# KiCad board FD_new_testblock2.kicad_pcb (continued)
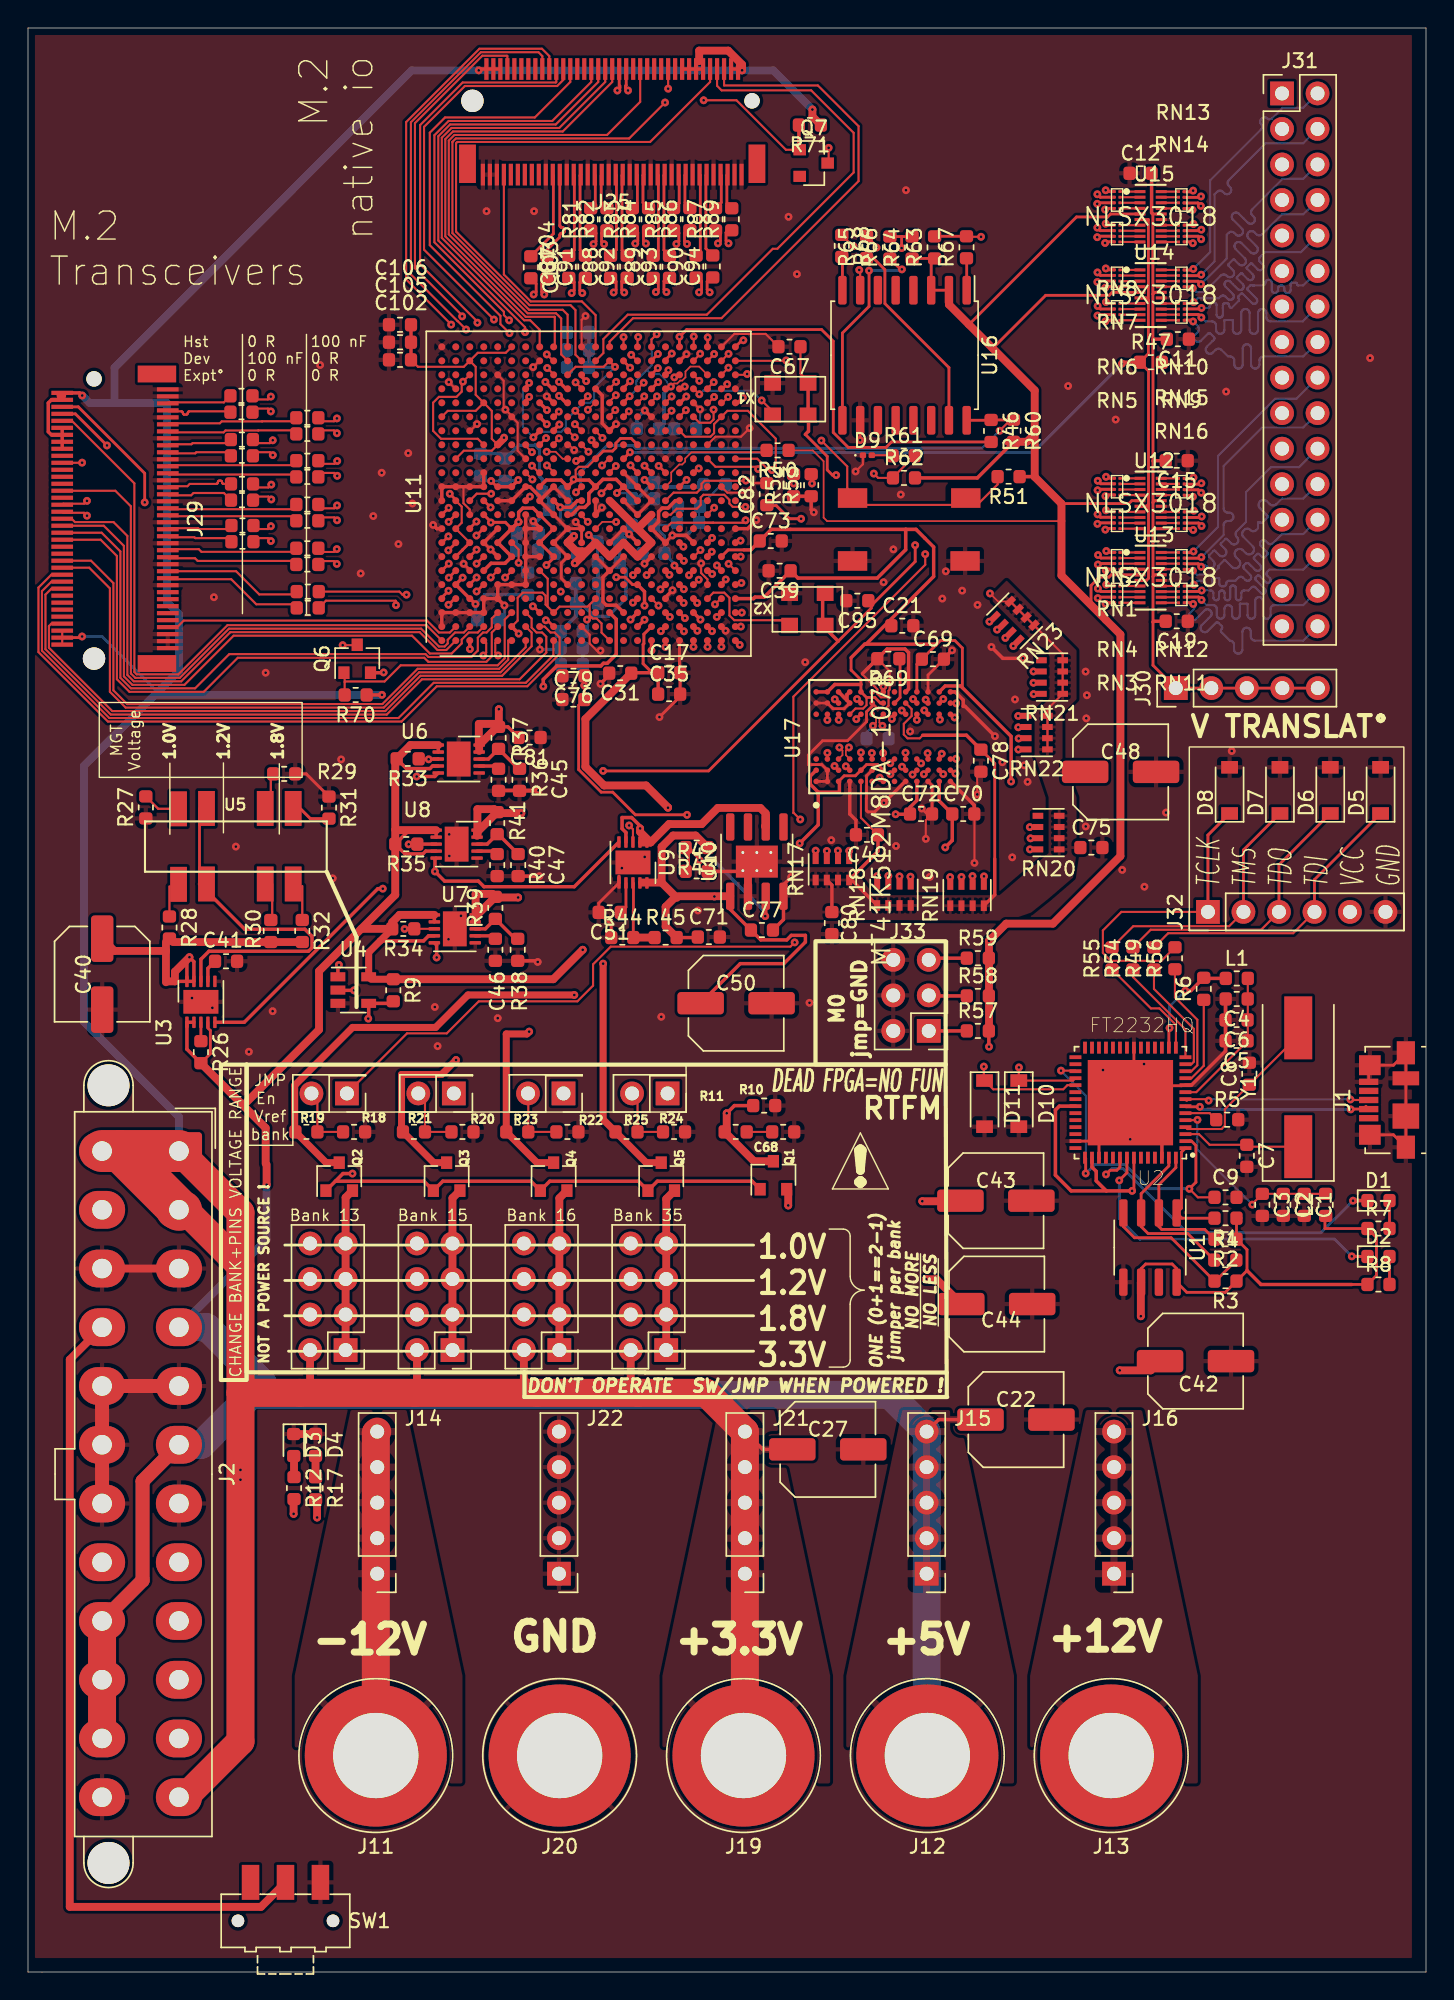
[diagram p0: board, top side]
## Routing (per net, layer and track width the routed paths; a pad name or vN(x,y) marks a point on that pad's centre or on a via; arc(x,y) is an arc through that point) (continued)
DDR_A15: length 39.3
  Top w0.15: 62.77,89.93 v1(62.5,90.2) ; v1(50.91,94.89) U11.AB1
  In2.Cu_SigDDR w0.15: v1(70.86,88.2) 70.56,87.9 63.2,87.9 62.5,88.6 v1(62.5,90.2)
  In4.Cu_SigDDR w0.15: v1(62.5,90.2) 61.52,90.2 61.48,90.2 61.45,90.18 61.41,90.16 61.39,90.14 61.37,90.1 61.35,90.07 61.35,89.99 61.33,89.95 61.31,89.92 61.29,89.89 61.25,89.87 61.22,89.86 61.18,89.86 60.92,89.86 60.88,89.86 60.85,89.87 60.81,89.89 60.79,89.92 60.77,89.95 60.75,89.99 60.75,90.03 60.75,90.27 60.75,90.29 60.74,90.3 60.73,90.32 60.72,90.33 60.71,90.34 60.69,90.34 60.68,90.34 60.22,90.34 60.21,90.34 60.19,90.34 60.18,90.33 60.17,90.32 60.16,90.3 60.15,90.29 60.15,90.27 60.15,90.08 60.15,90.05 60.14,90.03 60.12,90 60.1,89.98 60.08,89.97 60.06,89.96 60.03,89.96 59.67,89.96 59.64,89.96 59.62,89.97 59.6,89.98 59.58,90 59.56,90.03 59.55,90.05 59.55,90.08 59.55,90.25 59.55,90.26 59.55,90.27 59.54,90.28 59.53,90.29 59.52,90.3 59.51,90.3 59.5,90.3 59,90.3 58.99,90.3 58.98,90.3 58.97,90.29 58.96,90.28 58.95,90.27 58.95,90.26 58.95,90.25 58.95,90.03 58.95,89.99 58.93,89.95 58.91,89.92 58.89,89.89 58.85,89.87 58.82,89.86 58.78,89.86 58.52,89.86 58.48,89.86 58.45,89.87 58.41,89.89 58.39,89.92 58.37,89.95 58.35,89.99 58.35,90.03 58.35,90.25 58.35,90.26 58.35,90.27 58.34,90.28 58.33,90.29 58.32,90.3 58.31,90.3 58.3,90.3 57.8,90.3 57.79,90.3 57.78,90.3 57.77,90.29 57.76,90.28 57.75,90.27 57.75,90.26 57.75,90.25 57.75,90.1 57.75,90.08 57.74,90.06 57.73,90.04 57.71,90.03 57.7,90.02 57.67,90.01 57.65,90.01 57.25,90.01 57.23,90.01 57.2,90.02 57.19,90.03 57.17,90.04 57.16,90.06 57.15,90.08 57.15,90.1 57.15,90.25 57.15,90.26 57.15,90.27 57.14,90.28 57.13,90.29 57.12,90.3 57.11,90.3 57.1,90.3 56.6,90.3 56.59,90.3 56.58,90.3 56.57,90.29 56.56,90.28 56.55,90.27 56.55,90.26 56.55,90.25 56.55,89.61 56.54,89.54 56.52,89.48 56.48,89.42 56.44,89.37 56.38,89.34 56.32,89.31 56.25,89.31 56.18,89.31 56.12,89.34 56.06,89.37 56.02,89.42 55.98,89.48 55.96,89.54 55.95,89.61 55.95,90.25 55.95,90.26 55.95,90.27 55.94,90.28 55.93,90.29 55.92,90.3 55.91,90.3 55.9,90.3 55.4,90.3 55.39,90.3 55.38,90.3 55.37,90.29 55.36,90.28 55.35,90.27 55.35,90.26 55.35,90.25 55.35,89.61 55.34,89.54 55.32,89.48 55.28,89.42 55.24,89.37 55.18,89.34 55.12,89.31 55.05,89.31 54.98,89.31 54.92,89.34 54.86,89.37 54.82,89.42 54.78,89.48 54.76,89.54 54.75,89.61 54.75,90.25 54.75,90.26 54.75,90.27 54.74,90.28 54.73,90.29 54.72,90.3 54.71,90.3 54.7,90.3 54.2,90.3 54.19,90.3 54.18,90.3 54.17,90.29 54.16,90.28 54.15,90.27 54.15,90.26 54.15,90.25 54.15,89.61 54.14,89.54 54.12,89.48 54.08,89.42 54.04,89.37 53.98,89.34 53.92,89.31 53.85,89.31 53.78,89.31 53.72,89.34 53.66,89.37 53.62,89.42 53.58,89.48 53.56,89.54 53.55,89.61 53.55,89.9 53.54,89.97 53.52,90.03 53.48,90.09 53.44,90.13 53.38,90.17 53.32,90.19 53.25,90.2 53.18,90.19 53.12,90.17 53.06,90.13 53.02,90.09 52.98,90.03 52.96,89.97 52.95,89.9 52.95,89.61 52.94,89.54 52.92,89.48 52.88,89.42 52.84,89.37 52.78,89.34 52.72,89.31 52.65,89.31 52.58,89.31 52.52,89.34 52.46,89.37 52.42,89.42 52.38,89.48 52.36,89.54 52.35,89.61 52.35,90.2 52.35,90.2 52.35,90.35 52.34,90.38 52.33,90.41 52.31,90.44 52.29,90.46 52.26,90.48 52.23,90.49 52.2,90.49 51.89,90.49 51.86,90.49 51.83,90.48 51.8,90.46 51.78,90.44 51.76,90.41 51.75,90.38 51.74,90.31 51.73,90.28 51.71,90.26 51.69,90.23 51.66,90.21 51.63,90.2 51.6,90.2 51.55,90.2 51.02,90.73 50.98,90.76 50.94,90.78 50.89,90.79 50.84,90.79 50.79,90.78 50.75,90.76 50.67,90.7 50.62,90.68 50.57,90.67 50.52,90.67 50.48,90.68 50.43,90.7 50.39,90.73 50.28,90.84 50.25,90.88 50.23,90.92 50.22,90.97 50.22,91.02 50.23,91.07 50.25,91.12 50.28,91.15 50.44,91.31 50.44,91.31 50.52,91.4 50.54,91.42 50.55,91.45 50.56,91.47 50.56,91.5 50.55,91.53 50.54,91.55 50.52,91.57 50.27,91.82 50.25,91.84 50.22,91.85 50.2,91.86 50.17,91.86 50.14,91.85 50.12,91.84 50.08,91.81 50.05,91.8 50.03,91.79 50,91.79 49.97,91.8 49.95,91.81 49.93,91.82 49.82,91.93 49.82,92.6 49.81,92.67 49.79,92.73 49.75,92.79 49.71,92.83 49.65,92.87 49.59,92.89 49.52,92.9 49.13,92.9 49.06,92.91 49,92.93 48.94,92.97 48.89,93.01 48.86,93.07 48.83,93.13 48.83,93.2 48.83,93.27 48.86,93.33 48.89,93.39 48.94,93.43 49,93.47 49.06,93.49 49.13,93.5 49.52,93.5 49.59,93.51 49.65,93.53 49.71,93.57 49.75,93.61 49.79,93.67 49.81,93.73 49.82,93.8 v1(50.91,94.89)
DDR_BA0: length 44.2
  Top w0.15: 62.77,85.93 v1(62.52,86.18) ; 47.6,98.16 v1(47.87,97.89)
  In2.Cu_SigDDR w0.15: v1(47.87,97.89) 47.87,97.63 49.06,96.44 49.49,96.44 49.71,96.66 51.7,96.66 51.74,96.61 51.77,96.55 51.79,96.48 51.79,96.41 51.77,96.35 51.74,96.29 51.7,96.24 51.44,95.97 51.4,95.92 51.37,95.86 51.35,95.8 51.35,95.73 51.37,95.66 51.4,95.6 51.44,95.55 51.49,95.51 51.55,95.48 51.62,95.46 51.68,95.46 51.75,95.48 51.81,95.51 51.86,95.55 52.81,96.5 52.86,96.54 52.92,96.57 52.99,96.58 53.06,96.58 53.12,96.57 53.18,96.54 53.23,96.5 53.28,96.44 53.31,96.38 53.32,96.32 53.32,96.25 53.31,96.19 53.28,96.13 53.23,96.07 52.29,95.13 52.25,95.07 52.22,95.01 52.2,94.95 52.2,94.88 52.22,94.81 52.25,94.75 52.29,94.7 52.34,94.66 52.4,94.63 52.47,94.62 52.53,94.62 52.6,94.63 52.66,94.66 52.71,94.7 53.66,95.65 53.71,95.69 53.77,95.72 53.84,95.73 53.9,95.73 53.97,95.72 54.03,95.69 54.08,95.65 54.12,95.6 54.15,95.54 54.17,95.47 54.17,95.4 54.15,95.34 54.12,95.28 54.08,95.22 53.14,94.28 53.09,94.22 53.06,94.16 53.05,94.1 53.05,94.03 53.06,93.97 53.09,93.91 53.14,93.85 53.19,93.81 53.25,93.78 53.31,93.77 53.38,93.77 53.45,93.78 53.51,93.81 53.56,93.85 54.51,94.8 54.56,94.84 54.62,94.87 54.69,94.89 54.75,94.89 54.82,94.87 54.88,94.84 54.93,94.8 54.97,94.75 55,94.69 55.02,94.62 55.02,94.55 55,94.49 54.97,94.43 54.93,94.38 53.98,93.43 53.94,93.38 53.91,93.32 53.9,93.25 53.9,93.18 53.91,93.12 53.94,93.06 53.98,93 54.04,92.96 54.1,92.93 54.16,92.92 54.23,92.92 54.3,92.93 54.36,92.96 54.41,93 54.67,93.27 54.72,93.31 54.78,93.34 54.85,93.35 54.92,93.35 54.98,93.34 55.04,93.31 55.09,93.27 55.42,92.94 58.28,92.94 59.81,91.41 59.81,90.64 59.73,90.56 59.73,88.67 60.79,87.61 61.39,87.61 62.52,86.48 v1(62.52,86.18) 62.36,86.02 62.36,84.1 61.54,83.28 61.54,80.31 61.54,80.28 61.53,80.24 61.51,80.22 61.48,80.19 61.46,80.17 61.42,80.16 61.39,80.16 61.2,80.16 61.17,80.16 61.14,80.15 61.11,80.13 61.08,80.1 61.07,80.08 61.06,80.04 61.05,80.01 61.06,79.98 61.07,79.94 61.08,79.92 61.11,79.89 61.14,79.87 61.17,79.86 61.2,79.86 62.13,79.86 62.16,79.86 62.19,79.85 62.22,79.83 62.25,79.8 62.26,79.78 62.27,79.74 62.28,79.71 62.27,79.68 62.26,79.64 62.25,79.62 62.22,79.59 62.19,79.57 62.16,79.56 62.13,79.56 61.69,79.56 61.66,79.56 61.62,79.55 61.6,79.53 61.57,79.5 61.55,79.48 61.54,79.44 61.54,79.41 v1(61.54,78.37)
DDR_BA1: length 44.8
  Top w0.15: v1(46.9,97.89) 46.9,97.9 U11.V4 ; 63.58,90.74 v1(63.31,91.01)
  In2.Cu_SigDDR w0.15: v1(63.31,91.01) 63.03,90.73 63.03,89.41 63.44,89 67.56,89 67.62,88.99 67.68,88.97 67.73,88.94 67.77,88.9 67.8,88.85 67.82,88.79 67.84,88.67 67.85,88.62 67.89,88.56 67.93,88.52 67.98,88.49 68.04,88.47 68.1,88.46 68.16,88.46 68.22,88.47 68.28,88.49 68.33,88.52 68.37,88.56 68.4,88.62 68.42,88.67 68.44,88.79 68.45,88.85 68.49,88.9 68.53,88.94 68.58,88.97 68.64,88.99 68.7,89 v1(70.83,89)
  In4.Cu_SigDDR w0.15: v1(63.31,91.01) 62.75,91.01 61.4,92.36 59.65,92.36 59.62,92.36 59.58,92.35 59.56,92.33 59.53,92.3 59.51,92.28 59.5,92.24 59.5,92.21 59.5,91.91 59.5,91.88 59.49,91.85 59.47,91.82 59.44,91.79 59.42,91.78 59.38,91.77 59.35,91.76 59.32,91.77 59.28,91.78 59.26,91.79 59.23,91.82 59.21,91.85 59.2,91.88 59.2,91.91 59.2,92.21 59.2,92.24 59.19,92.28 59.17,92.3 59.14,92.33 59.12,92.35 59.08,92.36 59.05,92.36 59.02,92.36 58.98,92.35 58.96,92.33 58.93,92.3 58.91,92.28 58.9,92.24 58.9,92.21 58.9,91.91 58.9,91.88 58.89,91.85 58.87,91.82 58.84,91.79 58.82,91.78 58.78,91.77 58.75,91.76 58.72,91.77 58.68,91.78 58.66,91.79 58.63,91.82 58.61,91.85 58.6,91.88 58.6,91.91 58.6,92.41 58.6,92.42 58.6,92.43 58.59,92.44 58.58,92.45 58.57,92.46 58.56,92.46 58.55,92.46 58.35,92.46 58.34,92.46 58.33,92.46 58.32,92.45 58.31,92.44 58.3,92.43 58.3,92.42 58.3,92.41 58.3,91.91 58.3,91.88 58.29,91.85 58.27,91.82 58.24,91.79 58.22,91.78 58.18,91.77 58.15,91.76 58.12,91.77 58.08,91.78 58.06,91.79 58.03,91.82 58.01,91.85 58,91.88 58,91.91 58,92.21 58,92.24 57.99,92.28 57.97,92.3 57.94,92.33 57.92,92.35 57.88,92.36 57.85,92.36 57.82,92.36 57.78,92.35 57.76,92.33 57.73,92.3 57.71,92.28 57.7,92.24 57.7,92.21 57.7,91.91 57.7,91.88 57.69,91.85 57.67,91.82 57.64,91.79 57.62,91.78 57.58,91.77 57.55,91.76 57.52,91.77 57.48,91.78 57.46,91.79 57.43,91.82 57.41,91.85 57.4,91.88 57.4,91.91 57.4,92.21 57.4,92.24 57.39,92.28 57.37,92.3 57.34,92.33 57.32,92.35 57.28,92.36 57.25,92.36 57.22,92.36 57.18,92.35 57.16,92.33 57.13,92.3 57.11,92.28 57.1,92.24 57.1,92.21 57.1,91.91 57.1,91.88 57.09,91.85 57.07,91.82 57.04,91.79 57.02,91.78 56.98,91.77 56.95,91.76 56.92,91.77 56.88,91.78 56.86,91.79 56.83,91.82 56.81,91.85 56.8,91.88 56.8,91.91 56.8,92.21 56.8,92.24 56.79,92.28 56.77,92.3 56.74,92.33 56.72,92.35 56.68,92.36 56.65,92.36 56.62,92.36 56.58,92.35 56.56,92.33 56.53,92.3 56.51,92.28 56.5,92.24 56.5,92.21 56.5,91.91 56.5,91.88 56.49,91.85 56.47,91.82 56.44,91.79 56.42,91.78 56.38,91.77 56.35,91.76 56.32,91.77 56.28,91.78 56.26,91.79 56.23,91.82 56.21,91.85 56.2,91.88 56.2,91.91 56.2,92.21 56.2,92.24 56.19,92.28 56.17,92.3 56.14,92.33 56.12,92.35 56.08,92.36 56.05,92.36 56.02,92.36 55.98,92.35 55.96,92.33 55.93,92.3 55.91,92.28 55.9,92.24 55.9,92.21 55.9,91.91 55.9,91.88 55.89,91.85 55.87,91.82 55.84,91.79 55.82,91.78 55.78,91.77 55.75,91.76 55.72,91.77 55.68,91.78 55.66,91.79 55.63,91.82 55.61,91.85 55.6,91.88 55.6,91.91 55.6,92.36 55.6,92.46 55.6,92.48 55.59,92.5 55.58,92.52 55.56,92.54 55.54,92.55 55.52,92.56 55.5,92.56 55.4,92.56 55.38,92.56 55.36,92.55 55.34,92.54 55.32,92.52 55.31,92.5 55.3,92.48 55.3,92.44 55.29,92.42 55.28,92.4 55.26,92.38 55.24,92.37 55.22,92.36 55.2,92.36 54.75,92.36 54.74,92.37 54.72,92.39 54.71,92.42 54.7,92.46 54.7,92.49 54.71,92.52 54.72,92.55 54.74,92.58 54.99,92.83 55.01,92.85 55.02,92.88 55.03,92.92 55.03,92.95 55.02,92.98 55.01,93.01 54.99,93.04 54.96,93.06 54.93,93.07 54.9,93.08 54.87,93.08 54.83,93.07 54.8,93.06 54.78,93.04 54.14,92.4 54.12,92.38 54.09,92.37 54.05,92.36 54.02,92.36 53.99,92.37 53.96,92.38 53.93,92.4 53.91,92.43 53.89,92.46 53.89,92.49 53.89,92.53 53.89,92.56 53.91,92.59 53.93,92.62 54.11,92.79 54.13,92.82 54.14,92.85 54.15,92.88 54.15,92.91 54.14,92.95 54.13,92.98 54.11,93 54.08,93.02 54.05,93.04 54.02,93.05 53.98,93.05 53.95,93.04 53.92,93.02 53.89,93 53.72,92.83 53.69,92.81 53.66,92.79 53.63,92.78 53.6,92.78 53.56,92.79 53.53,92.81 53.51,92.83 53.49,92.85 53.47,92.88 53.46,92.92 53.46,92.95 53.47,92.98 53.49,93.01 53.51,93.04 53.68,93.22 53.7,93.24 53.72,93.27 53.73,93.31 53.73,93.34 53.72,93.37 53.7,93.4 53.68,93.43 53.66,93.45 53.63,93.46 53.59,93.47 53.56,93.47 53.53,93.46 53.5,93.45 53.47,93.43 53.29,93.25 53.27,93.23 53.24,93.22 53.2,93.21 53.17,93.21 53.14,93.22 53.11,93.23 53.08,93.25 53.06,93.28 53.05,93.31 53.04,93.34 53.04,93.37 53.05,93.41 53.06,93.44 53.08,93.46 53.26,93.64 53.28,93.67 53.29,93.7 53.3,93.73 53.3,93.76 53.29,93.8 53.28,93.83 53.26,93.85 53.23,93.87 53.2,93.89 53.17,93.9 53.13,93.9 53.1,93.89 53.07,93.87 53.05,93.85 52.87,93.68 52.84,93.66 52.81,93.64 52.78,93.63 52.75,93.63 52.71,93.64 52.68,93.66 52.66,93.68 52.64,93.7 52.62,93.73 52.61,93.77 52.61,93.8 52.62,93.83 52.64,93.86 52.66,93.89 52.83,94.06 52.85,94.09 52.87,94.12 52.88,94.15 52.88,94.19 52.87,94.22 52.85,94.25 52.83,94.28 52.81,94.3 52.78,94.31 52.74,94.32 52.71,94.32 52.68,94.31 52.65,94.3 52.62,94.28 52.45,94.1 52.42,94.08 52.39,94.07 52.36,94.06 52.32,94.06 52.29,94.07 52.26,94.08 52.23,94.1 52.21,94.13 52.2,94.16 52.19,94.19 52.19,94.22 52.2,94.26 52.21,94.29 52.23,94.31 52.41,94.49 52.43,94.51 52.44,94.55 52.45,94.58 52.45,94.61 52.44,94.64 52.43,94.67 52.41,94.7 52.38,94.72 52.35,94.74 52.32,94.74 52.29,94.74 52.25,94.74 52.22,94.72 52.2,94.7 52.13,94.63 52.1,94.61 52.07,94.6 52.04,94.59 52,94.59 51.97,94.6 51.94,94.61 51.92,94.63 51.89,94.66 51.88,94.69 51.87,94.72 51.87,94.75 51.88,94.79 51.89,94.82 51.92,94.84 51.99,94.91 52.01,94.94 52.02,94.97 52.03,95 52.03,95.04 52.02,95.07 52.01,95.1 51.99,95.12 51.85,95.26 51.85,95.69 51.51,96.03 51.51,97.42 51.28,97.65 50.84,97.65 50.53,97.34 47.45,97.34 v1(46.9,97.89)
DDR_BA2: length 44.3
  Top w0.15: v1(62.77,87.18) 62.78,87.17 U17.J3 ; U11.AA4 49.55,98.2 v1(49.14,97.79)
  In2.Cu_SigDDR w0.15: v1(62.34,78.34) 62.71,78.71 62.71,83.73 62.71,83.74 62.71,83.75 62.7,83.76 62.69,83.77 62.68,83.78 62.67,83.78 62.65,83.78 62.64,83.78 62.63,83.79 62.62,83.8 62.61,83.81 62.61,83.82 62.61,83.83 62.61,84.28 62.61,84.29 62.61,84.3 62.62,84.31 62.63,84.32 62.64,84.33 62.65,84.33 62.66,84.33 62.96,84.33 63.01,84.34 63.07,84.35 63.11,84.38 63.15,84.42 63.18,84.47 63.2,84.52 63.21,84.58 63.21,84.63 63.2,84.69 63.18,84.74 63.15,84.79 63.11,84.83 63.07,84.86 63.01,84.87 62.96,84.88 62.66,84.88 62.65,84.88 62.64,84.88 62.63,84.89 62.62,84.9 62.61,84.91 62.61,84.92 62.61,84.93 62.61,85.38 62.61,85.39 62.61,85.4 62.62,85.41 62.63,85.42 62.64,85.43 62.65,85.43 62.67,85.43 62.68,85.43 62.69,85.44 62.7,85.45 62.71,85.46 62.71,85.47 62.71,85.48 62.71,85.7 63.05,86.04 63.05,86.9 v1(62.77,87.18) 62.09,87.86 61.02,87.86 59.99,88.89 59.99,89.32 60.06,89.39 60.06,91.65 57.53,94.18 57.49,94.21 57.44,94.24 57.38,94.25 57.33,94.25 57.27,94.24 57.22,94.21 57.18,94.18 56.82,93.83 56.78,93.79 56.73,93.77 56.67,93.76 56.62,93.76 56.56,93.77 56.51,93.79 56.47,93.83 56.43,93.87 56.41,93.92 56.4,93.98 56.4,94.03 56.41,94.09 56.43,94.14 56.47,94.18 57.04,94.75 57.04,94.75 57.05,94.76 57.05,94.78 57.05,94.79 57.05,94.8 57.04,94.81 57.04,94.82 56.75,95.1 56.74,95.11 56.73,95.11 56.72,95.11 56.71,95.11 56.7,95.11 56.69,95.11 56.67,95.09 56.66,95.09 56.65,95.08 56.64,95.08 56.63,95.09 56.62,95.09 56.57,95.13 56.52,95.16 56.46,95.17 56.41,95.17 56.35,95.16 56.3,95.13 56.26,95.1 55.9,94.75 55.86,94.71 55.81,94.69 55.76,94.67 55.7,94.67 55.64,94.69 55.59,94.71 55.55,94.75 55.52,94.79 55.49,94.84 55.48,94.89 55.48,94.95 55.49,95.01 55.52,95.06 55.55,95.1 56.08,95.63 56.13,95.68 56.14,95.7 56.15,95.71 56.15,95.73 56.15,95.74 56.15,95.76 56.14,95.78 56.13,95.79 55.89,96.04 55.87,96.05 55.86,96.05 55.84,96.06 55.82,96.06 55.81,96.05 55.79,96.05 55.77,96.03 55.75,96.02 55.74,96.01 55.72,96.01 55.7,96.02 55.69,96.03 55.63,96.07 55.58,96.1 55.53,96.11 55.47,96.11 55.41,96.1 55.36,96.07 55.32,96.04 54.97,95.68 54.92,95.65 54.87,95.62 54.82,95.61 54.76,95.61 54.71,95.62 54.66,95.65 54.61,95.68 54.58,95.73 54.55,95.78 54.54,95.83 54.54,95.89 54.55,95.94 54.58,95.99 54.61,96.04 55.18,96.6 55.19,96.61 55.19,96.62 55.19,96.63 55.19,96.64 55.19,96.65 55.19,96.66 55.18,96.67 54.9,96.96 54.89,96.96 54.88,96.97 54.87,96.97 54.86,96.97 54.84,96.97 54.83,96.96 54.83,96.96 54.26,96.39 54.22,96.36 54.17,96.33 54.11,96.32 54.06,96.32 54,96.33 53.95,96.36 53.91,96.39 53.87,96.43 53.85,96.48 53.83,96.54 53.83,96.59 53.85,96.65 53.87,96.7 53.91,96.74 54.44,97.27 54.49,97.33 54.5,97.34 54.51,97.35 54.51,97.37 54.51,97.39 54.51,97.4 54.5,97.42 54.49,97.43 54.24,97.68 54.23,97.69 54.21,97.7 54.2,97.7 54.18,97.7 54.16,97.7 54.15,97.69 54.12,97.67 54.11,97.66 54.09,97.66 54.07,97.66 54.06,97.66 54.04,97.67 54.03,97.68 53.92,97.79 53.37,97.79 53.31,97.8 53.26,97.81 53.21,97.84 53.17,97.88 53.14,97.93 53.13,97.98 53.12,98.04 53.12,98.09 53.11,98.15 53.1,98.2 53.07,98.25 53.03,98.28 52.98,98.31 52.93,98.33 52.87,98.34 52.81,98.33 52.76,98.31 52.71,98.28 52.67,98.25 52.64,98.2 52.63,98.15 52.62,98.09 52.62,97.04 52.61,96.98 52.6,96.93 52.57,96.88 52.53,96.85 52.48,96.82 52.43,96.8 52.37,96.79 52.31,96.8 52.26,96.82 52.21,96.85 52.17,96.88 52.14,96.93 52.13,96.98 52.12,97.04 52.12,98.09 52.11,98.15 52.1,98.2 52.07,98.25 52.03,98.28 51.98,98.31 51.93,98.33 51.87,98.34 51.81,98.33 51.76,98.31 51.71,98.28 51.67,98.25 51.64,98.2 51.63,98.15 51.62,98.09 51.62,97.72 51.62,97.7 51.61,97.68 51.6,97.67 51.59,97.66 51.58,97.65 51.56,97.64 51.55,97.64 51.19,97.64 51.18,97.64 51.16,97.65 51.15,97.66 51.14,97.67 51.13,97.68 51.12,97.7 51.12,97.72 51.12,98.09 51.11,98.15 51.1,98.2 51.07,98.25 51.03,98.28 50.98,98.31 50.93,98.33 50.87,98.34 50.81,98.33 50.76,98.31 50.71,98.28 50.67,98.25 50.64,98.2 50.63,98.15 50.62,98.09 50.62,97.34 50.61,97.28 50.6,97.23 50.57,97.18 50.53,97.15 50.48,97.12 50.43,97.1 50.37,97.09 50.31,97.1 50.26,97.12 50.21,97.15 50.17,97.18 50.14,97.23 50.13,97.28 50.12,97.34 50.12,97.54 50.11,97.6 50.1,97.65 50.07,97.7 50.03,97.74 49.98,97.77 49.93,97.78 49.87,97.79 v1(49.14,97.79)
DDR_CK_N: length 38
  Top w0.12: v1(61.12,89.11) 60.9,89.33 60.9,89.65 U17.G7
  In2.Cu_SigDDR w0.12: v1(47.98,99.55) 48.68,98.85 48.86,98.85 48.91,98.86 48.96,98.87 49,98.9 49.04,98.93 49.06,98.98 49.08,99.02 49.09,99.13 49.11,99.17 49.13,99.22 49.17,99.25 49.21,99.28 49.26,99.29 49.31,99.3 49.46,99.3 49.51,99.29 49.56,99.28 49.6,99.25 49.64,99.22 49.66,99.17 49.68,99.13 49.69,99.02 49.71,98.98 49.73,98.93 49.77,98.9 49.81,98.87 49.86,98.86 49.91,98.85 55.07,98.85 55.36,98.56 55.42,98.49 55.47,98.4 55.49,98.3 55.49,98.2 55.47,98.11 55.42,98.02 55.36,97.94 55.11,97.69 55.1,97.67 55.08,97.64 55.08,97.61 55.08,97.58 55.08,97.56 55.1,97.53 55.11,97.51 55.14,97.49 55.16,97.47 55.19,97.47 55.22,97.47 55.25,97.47 55.28,97.49 55.3,97.51 56.34,98.55 56.42,98.61 56.51,98.65 56.6,98.67 56.7,98.67 56.8,98.65 56.89,98.61 56.97,98.55 57,98.51 57.06,98.43 57.11,98.34 57.13,98.25 57.13,98.15 57.11,98.05 57.06,97.96 57,97.89 55.96,96.84 55.94,96.82 55.93,96.79 55.92,96.77 55.92,96.74 55.93,96.71 55.94,96.68 55.96,96.66 55.99,96.64 56.01,96.63 56.04,96.62 56.07,96.62 56.1,96.63 56.13,96.64 56.15,96.66 57.19,97.7 57.27,97.76 57.36,97.8 57.45,97.82 57.55,97.82 57.65,97.8 57.74,97.76 57.81,97.7 57.85,97.66 57.91,97.58 57.96,97.49 57.98,97.4 57.98,97.3 57.96,97.2 57.91,97.11 57.85,97.04 56.81,96 56.79,95.97 56.78,95.95 56.77,95.92 56.77,95.89 56.78,95.86 56.79,95.83 56.81,95.81 56.83,95.79 56.86,95.78 56.89,95.77 56.92,95.77 56.95,95.78 56.98,95.79 57,95.81 58.04,96.85 58.12,96.91 58.21,96.95 58.3,96.98 58.4,96.98 58.5,96.95 58.59,96.91 58.66,96.85 58.7,96.81 58.76,96.73 58.8,96.64 58.83,96.55 58.83,96.45 58.8,96.35 58.76,96.27 58.7,96.19 57.66,95.15 57.64,95.12 57.63,95.1 57.62,95.07 57.62,95.04 57.63,95.01 57.64,94.98 57.66,94.96 57.68,94.94 57.71,94.93 57.74,94.92 57.77,94.92 57.8,94.93 57.82,94.94 57.85,94.96 58.89,96 58.96,96.06 59.05,96.1 59.15,96.13 59.25,96.13 59.34,96.1 59.43,96.06 59.51,96 59.55,95.96 59.61,95.89 59.65,95.8 59.68,95.7 59.68,95.6 59.65,95.51 59.61,95.42 59.55,95.34 58.51,94.3 58.49,94.28 58.48,94.25 58.47,94.22 58.47,94.19 58.48,94.16 58.49,94.13 58.51,94.11 58.53,94.09 58.56,94.08 58.59,94.07 58.62,94.07 58.65,94.08 58.67,94.09 58.7,94.11 58.94,94.36 59.02,94.42 59.11,94.46 59.2,94.48 59.3,94.48 59.4,94.46 59.49,94.42 59.57,94.36 60.53,93.39 60.53,91.92 60.89,91.57 60.89,89.34 v1(61.12,89.11)
  B.Cu_GND_DDR w0.15: v1(61.12,89.11) 61.56,88.67 R88.1
DDR_CK_P: length 38.1
  Top w0.12: v1(60.44,89.11) 60.66,89.33 60.66,89.65 U17.F7
  In2.Cu_SigDDR w0.12: v1(47.28,99.87) 47.28,99.61 48.28,98.6 54.85,98.6 55.1,98.35 55.12,98.32 55.14,98.3 55.14,98.27 55.14,98.24 55.14,98.21 55.12,98.18 55.1,98.16 54.86,97.91 54.8,97.83 54.75,97.74 54.73,97.65 54.73,97.55 54.75,97.45 54.8,97.36 54.86,97.29 54.9,97.25 54.97,97.19 55.06,97.15 55.16,97.12 55.26,97.12 55.35,97.15 55.44,97.19 55.52,97.25 56.56,98.29 56.58,98.31 56.61,98.32 56.64,98.33 56.67,98.33 56.7,98.32 56.72,98.31 56.75,98.29 56.77,98.27 56.78,98.24 56.79,98.21 56.79,98.18 56.78,98.15 56.77,98.13 56.75,98.1 55.71,97.06 55.64,96.98 55.6,96.9 55.58,96.8 55.58,96.7 55.6,96.61 55.64,96.52 55.71,96.44 55.74,96.4 55.82,96.34 55.91,96.3 56.01,96.27 56.11,96.27 56.2,96.3 56.29,96.34 56.37,96.4 57.41,97.44 57.43,97.46 57.46,97.47 57.49,97.48 57.52,97.48 57.55,97.47 57.57,97.46 57.6,97.44 57.61,97.42 57.63,97.39 57.63,97.36 57.63,97.33 57.63,97.3 57.61,97.28 57.6,97.25 56.55,96.21 56.49,96.14 56.45,96.05 56.43,95.95 56.43,95.85 56.45,95.76 56.49,95.67 56.55,95.59 56.59,95.55 56.67,95.49 56.76,95.45 56.86,95.43 56.95,95.43 57.05,95.45 57.14,95.49 57.22,95.55 58.26,96.59 58.28,96.61 58.31,96.62 58.34,96.63 58.37,96.63 58.39,96.62 58.42,96.61 58.44,96.59 58.46,96.57 58.48,96.54 58.48,96.51 58.48,96.48 58.48,96.46 58.46,96.43 58.44,96.41 57.4,95.36 57.34,95.29 57.3,95.2 57.28,95.1 57.28,95 57.3,94.91 57.34,94.82 57.4,94.74 57.44,94.7 57.52,94.64 57.61,94.6 57.7,94.58 57.8,94.58 57.9,94.6 57.99,94.64 58.06,94.7 59.11,95.74 59.13,95.76 59.16,95.78 59.18,95.78 59.21,95.78 59.24,95.78 59.27,95.76 59.29,95.74 59.31,95.72 59.32,95.69 59.33,95.67 59.33,95.64 59.32,95.61 59.31,95.58 59.29,95.56 58.25,94.52 58.19,94.44 58.15,94.35 58.13,94.25 58.13,94.16 58.15,94.06 58.19,93.97 58.25,93.89 58.29,93.86 58.37,93.79 58.46,93.75 58.55,93.73 58.65,93.73 58.75,93.75 58.84,93.79 58.91,93.86 59.16,94.1 59.18,94.12 59.21,94.13 59.24,94.14 59.27,94.14 59.3,94.13 59.32,94.12 59.35,94.1 60.24,93.21 60.24,91.87 60.6,91.51 60.6,89.27 v1(60.44,89.11)
  B.Cu_GND_DDR w0.15: R88.2 59.98,88.65 v1(60.44,89.11)
DDR_CKE: length 39.6
  Top w0.15: v1(50.99,96.2) U11.AB2 ; U17.G9 v1(61.18,91.91)
  In2.Cu_SigDDR w0.15: v1(68.77,96.55) 68.22,96.55 68.15,96.56 68.09,96.58 68.03,96.62 67.99,96.66 67.95,96.72 67.93,96.78 67.92,96.85 67.92,96.89 67.91,96.96 67.89,97.02 67.85,97.08 67.81,97.13 67.75,97.16 67.69,97.19 67.62,97.19 67.55,97.19 67.49,97.16 67.43,97.13 67.39,97.08 67.35,97.02 67.33,96.96 67.32,96.89 67.32,96.85 67.31,96.78 67.29,96.72 67.25,96.66 67.21,96.62 67.15,96.58 67.09,96.56 67.02,96.55 65.85,96.55 61.21,91.91 v1(61.18,91.91)
  In4.Cu_SigDDR w0.15: v1(50.99,96.2) 51.61,95.58 51.61,93.49 51.81,93.29 51.83,93.26 51.85,93.23 51.86,93.19 51.86,93.15 51.85,93.11 51.83,93.08 51.81,93.05 51.42,92.66 51.4,92.63 51.38,92.6 51.37,92.56 51.37,92.52 51.38,92.48 51.4,92.45 51.42,92.41 51.45,92.39 51.49,92.37 51.53,92.36 51.57,92.36 51.61,92.37 51.64,92.39 51.67,92.41 52.51,93.25 52.54,93.28 52.57,93.29 52.61,93.3 52.65,93.3 52.69,93.29 52.73,93.28 52.76,93.25 52.78,93.22 52.8,93.19 52.81,93.15 52.81,93.11 52.8,93.07 52.78,93.04 52.76,93 51.92,92.17 51.89,92.14 51.88,92.1 51.87,92.06 51.87,92.02 51.88,91.99 51.89,91.95 51.92,91.92 51.95,91.9 51.98,91.88 52.02,91.87 52.06,91.87 52.1,91.88 52.14,91.9 52.17,91.92 52.97,92.72 53,92.75 53.03,92.76 53.07,92.77 53.11,92.77 53.15,92.76 53.19,92.75 53.22,92.72 53.24,92.69 53.26,92.66 53.27,92.62 53.27,92.58 53.26,92.54 53.24,92.5 53.22,92.47 52.41,91.67 52.39,91.64 52.37,91.61 52.36,91.57 52.36,91.53 52.37,91.49 52.39,91.46 52.41,91.42 52.44,91.4 52.48,91.38 52.52,91.37 52.56,91.37 52.6,91.38 52.63,91.4 52.66,91.42 53.43,92.19 53.46,92.22 53.49,92.23 53.53,92.24 53.57,92.24 53.61,92.23 53.64,92.22 53.68,92.19 53.7,92.16 53.72,92.13 53.73,92.09 53.73,92.05 53.72,92.01 53.7,91.97 53.68,91.94 53.54,91.81 53.52,91.78 53.5,91.74 53.49,91.7 53.49,91.66 53.5,91.63 53.52,91.59 53.54,91.56 53.61,91.49 54.06,91.49 54.1,91.49 54.14,91.51 54.17,91.53 54.2,91.56 54.22,91.59 54.24,91.63 54.24,91.66 54.24,92.06 54.24,92.1 54.26,92.13 54.28,92.17 54.31,92.19 54.34,92.21 54.38,92.23 54.41,92.23 54.45,92.23 54.49,92.21 54.52,92.19 54.55,92.17 54.57,92.13 54.59,92.1 54.59,92.06 54.59,91.02 54.59,90.98 54.61,90.95 54.63,90.91 54.66,90.89 54.69,90.86 54.73,90.85 54.76,90.85 54.8,90.85 54.84,90.86 54.87,90.89 54.9,90.91 54.92,90.95 54.94,90.98 54.94,91.02 54.94,91.91 54.94,91.95 54.96,91.98 54.98,92.02 55.01,92.04 55.04,92.06 55.08,92.08 55.11,92.08 55.15,92.08 55.19,92.06 55.22,92.04 55.25,92.02 55.27,91.98 55.29,91.95 55.29,91.91 55.29,91.66 55.29,91.63 55.31,91.59 55.33,91.56 55.36,91.53 55.39,91.51 55.43,91.49 55.5,91.49 55.54,91.47 55.57,91.45 55.6,91.42 55.62,91.39 55.64,91.35 55.64,91.31 55.64,91.02 55.64,90.98 55.66,90.95 55.68,90.91 55.71,90.89 55.74,90.86 55.78,90.85 55.81,90.85 55.85,90.85 55.89,90.86 55.92,90.89 55.95,90.91 55.97,90.95 55.99,90.98 55.99,91.02 55.99,91.31 55.99,91.35 56.01,91.39 56.03,91.42 56.06,91.45 56.09,91.47 56.13,91.49 56.16,91.49 56.2,91.49 56.24,91.47 56.27,91.45 56.3,91.42 56.32,91.39 56.34,91.35 56.34,91.31 56.34,91.02 56.34,90.98 56.36,90.95 56.38,90.91 56.41,90.89 56.44,90.86 56.48,90.85 56.51,90.85 56.55,90.85 56.59,90.86 56.62,90.89 56.65,90.91 56.67,90.95 56.69,90.98 56.69,91.02 56.69,91.31 56.69,91.35 56.71,91.39 56.73,91.42 56.76,91.45 56.79,91.47 56.83,91.49 56.86,91.49 57.11,91.49 57.13,91.49 57.14,91.48 57.15,91.48 57.15,91.47 57.16,91.46 57.16,91.45 57.17,91.43 57.17,91.42 57.18,91.41 57.18,91.4 57.19,91.39 57.2,91.39 57.21,91.39 57.46,91.39 57.48,91.39 57.49,91.39 57.5,91.4 57.5,91.41 57.51,91.42 57.51,91.43 57.52,91.45 57.52,91.46 57.53,91.47 57.53,91.48 57.54,91.48 57.55,91.49 57.56,91.49 57.91,91.49 57.93,91.49 57.94,91.48 57.95,91.48 57.95,91.47 57.96,91.46 57.96,91.45 57.97,91.43 57.97,91.42 57.98,91.41 57.98,91.4 57.99,91.39 58,91.39 58.01,91.39 58.26,91.39 58.28,91.39 58.29,91.39 58.3,91.4 58.3,91.41 58.31,91.42 58.31,91.43 58.32,91.45 58.32,91.46 58.33,91.47 58.33,91.48 58.34,91.48 58.35,91.49 58.37,91.49 58.41,91.49 58.45,91.47 58.48,91.45 58.51,91.43 58.53,91.39 58.54,91.36 58.55,91.28 58.56,91.24 58.58,91.21 58.61,91.18 58.64,91.16 58.68,91.15 58.71,91.15 58.72,91.15 58.76,91.15 58.8,91.16 58.83,91.18 58.86,91.21 58.88,91.24 58.89,91.28 58.9,91.36 58.91,91.39 58.93,91.43 58.96,91.45 58.99,91.47 59.03,91.49 59.06,91.49 59.52,91.49 59.54,91.49 59.56,91.48 59.58,91.47 59.59,91.45 59.61,91.44 59.61,91.42 59.62,91.37 59.62,91.35 59.64,91.33 59.65,91.32 59.67,91.31 59.69,91.3 59.71,91.3 59.87,91.3 59.89,91.3 59.91,91.31 59.93,91.32 59.94,91.33 59.96,91.35 59.96,91.37 59.96,91.39 59.96,91.91 59.97,91.95 59.98,91.98 60,92.02 60.03,92.04 60.06,92.06 60.1,92.08 60.14,92.08 60.18,92.08 60.22,92.06 60.25,92.04 60.28,92.02 60.3,91.98 60.31,91.95 60.31,91.91 60.31,91.66 60.32,91.63 60.33,91.59 60.35,91.56 60.38,91.53 60.41,91.51 60.45,91.49 60.49,91.49 60.76,91.49 v1(61.18,91.91)